# KiCad board A64-OlinuXino_Rev_H.kicad_pcb (continued)
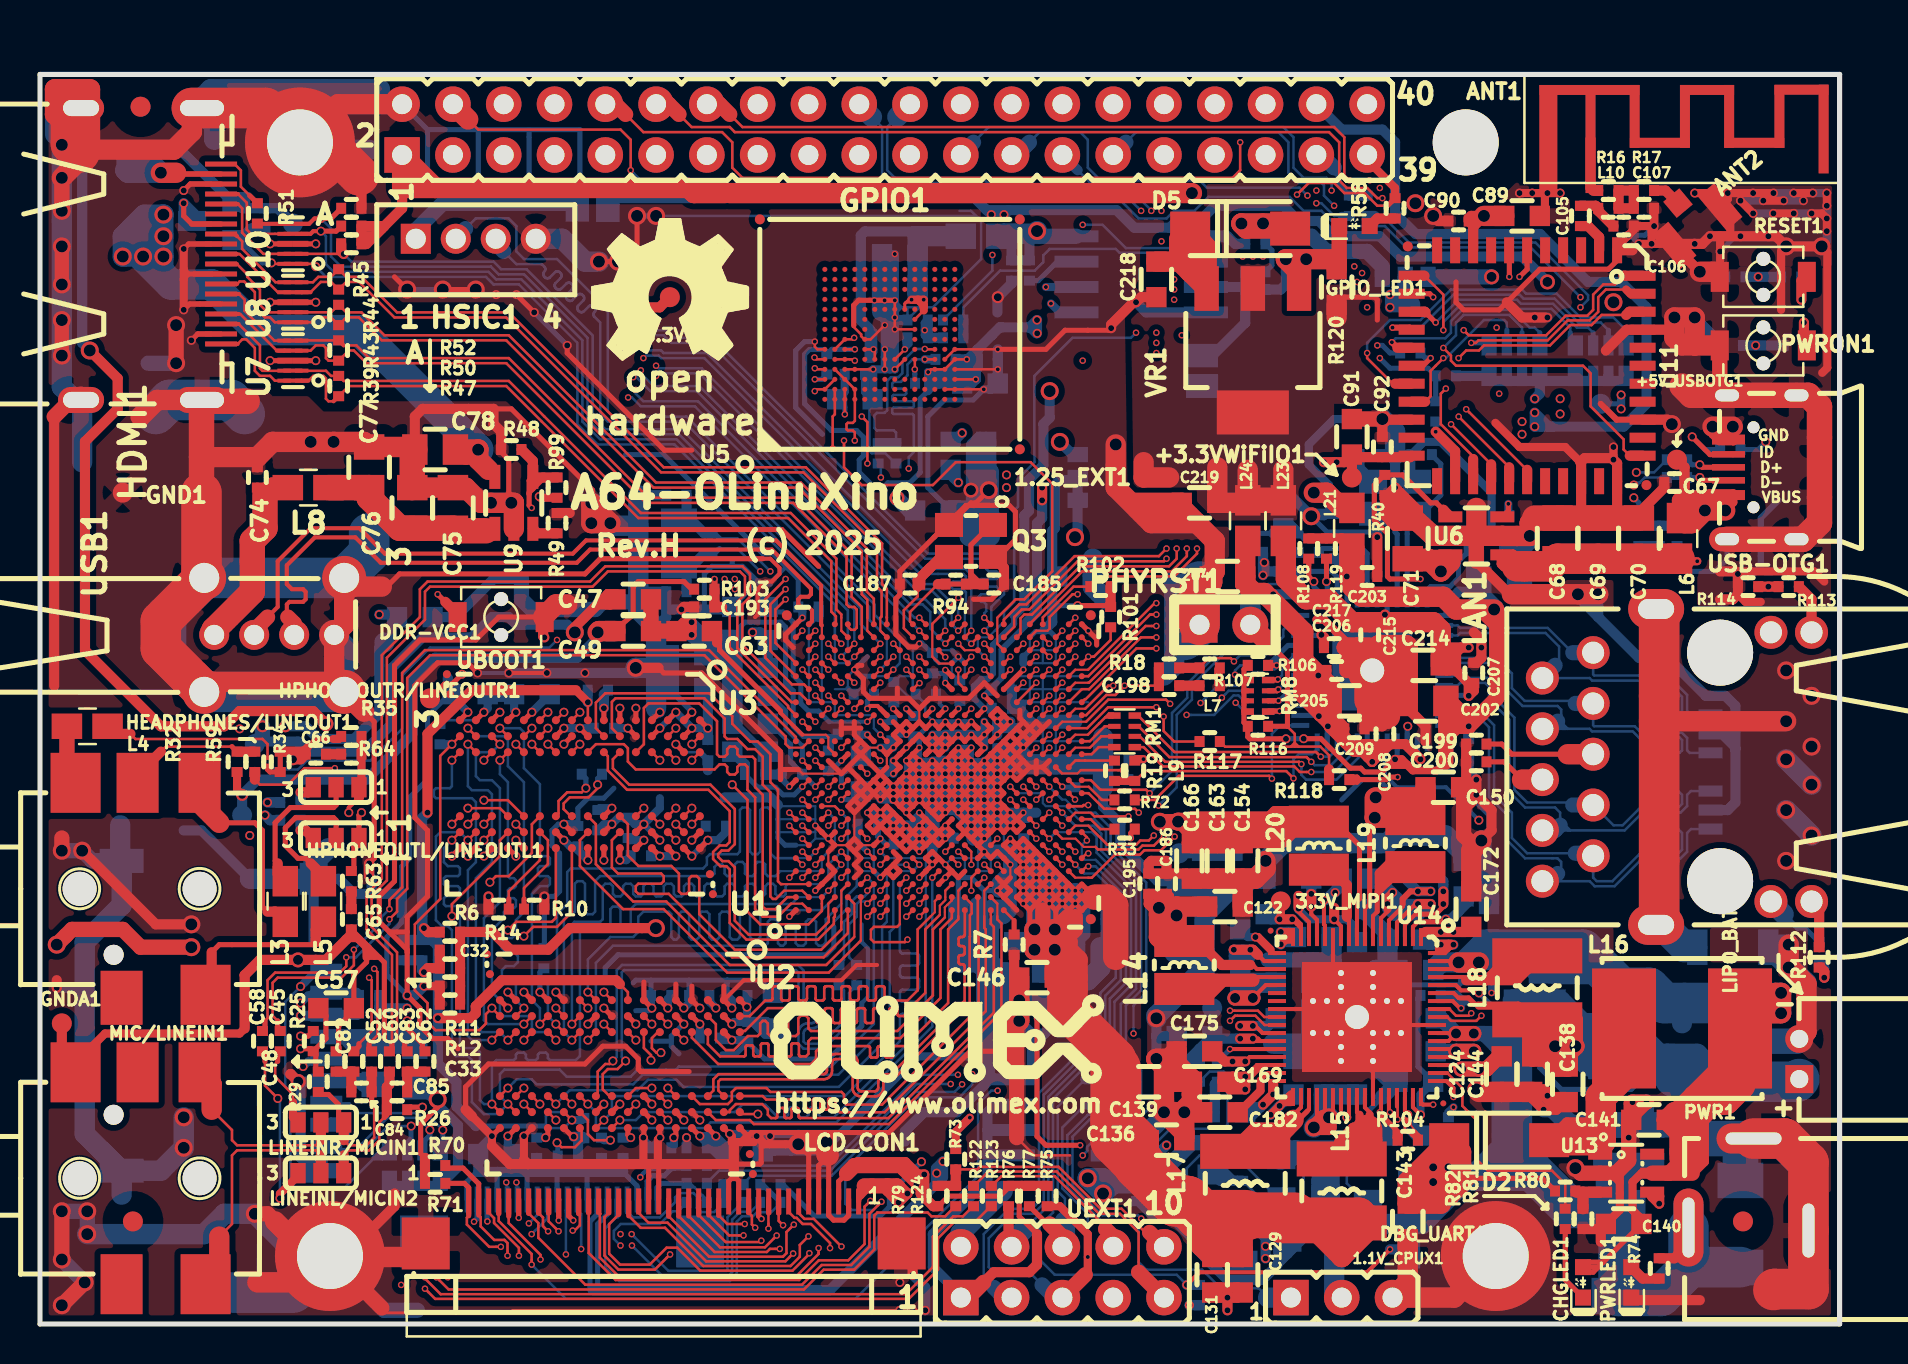
[diagram p0: board, top side]
## Routing (per net, layer and track width the routed paths; a pad name or vN(x,y) marks a point on that pad's centre or on a via; arc(x,y) is an arc through that point) (continued)
/S0SDQ13: length 23.2
  Top w0.107: 45.6,21.19 45.38,20.97 ; 45.38,20.97 45.37,20.96 ; 45.38,20.97 45.25,20.84 45.25,20.33
  Top w0.127: U1.N2 45.6,21.19 ; U2.C2 33.8,15 33.8,14.2 34.3,13.7 34.7,13.7 35.4,14.4 35.89,14.4 36.02,14.53 36.02,15.04 36.14,15.16 36.27,15.16 36.4,15.04 36.4,14.53 36.53,14.4 36.78,14.4 36.91,14.53 36.91,15.29 37.03,15.42 37.29,15.42 37.41,15.29 37.41,14.53 37.54,14.4 37.79,14.4 37.92,14.53 37.92,15.29 38.05,15.42 38.3,15.42 38.43,15.29 38.43,14.78 38.56,14.66 42.88,14.66 44.65,16.43 44.65,19.74 45.25,20.33
/S0SDQ14: length 23
  Top w0.127: U2.C3 33.4,14 34.01,13.39 35.19,13.39 35.21,13.39 35.23,13.4 35.25,13.41 35.27,13.42 35.28,13.44 35.28,13.46 35.29,13.48 35.29,13.84 35.29,13.86 35.3,13.88 35.31,13.9 35.32,13.92 35.34,13.93 35.36,13.93 35.38,13.94 35.57,13.94 35.59,13.93 35.61,13.93 35.63,13.92 35.65,13.9 35.66,13.88 35.67,13.86 35.67,13.84 35.67,13.48 35.67,13.46 35.68,13.44 35.69,13.42 35.7,13.41 35.72,13.4 35.74,13.39 35.76,13.39 35.95,13.39 35.97,13.39 35.99,13.4 36.01,13.41 36.03,13.42 36.04,13.44 36.05,13.46 36.05,13.48 36.05,13.94 36.05,13.96 36.06,13.98 36.07,14 36.08,14.02 36.1,14.03 36.12,14.03 36.14,14.04 36.33,14.04 36.36,14.03 36.38,14.03 36.39,14.02 36.41,14 36.42,13.98 36.43,13.96 36.43,13.94 36.43,13.48 36.43,13.46 36.44,13.44 36.45,13.42 36.47,13.41 36.48,13.4 36.5,13.39 36.53,13.39 36.72,13.39 36.74,13.39 36.76,13.4 36.77,13.41 36.79,13.42 36.8,13.44 36.81,13.46 36.81,13.48 36.81,13.94 36.81,13.96 36.82,13.98 36.83,14 36.85,14.02 36.86,14.03 36.88,14.03 36.91,14.04 37.1,14.04 37.12,14.03 37.14,14.03 37.16,14.02 37.17,14 37.18,13.98 37.19,13.96 37.19,13.94 37.19,13.48 37.19,13.46 37.2,13.44 37.21,13.42 37.23,13.41 37.25,13.4 37.27,13.39 37.29,13.39 37.48,13.39 37.5,13.39 37.52,13.4 37.54,13.41 37.55,13.42 37.56,13.44 37.57,13.46 37.57,13.48 37.57,13.94 37.58,13.96 37.58,13.98 37.59,14 37.61,14.02 37.63,14.03 37.65,14.03 37.67,14.04 37.86,14.04 37.88,14.03 37.9,14.03 37.92,14.02 37.93,14 37.94,13.98 37.95,13.96 37.95,13.94 37.95,13.48 37.96,13.46 37.96,13.44 37.97,13.42 37.99,13.41 38.01,13.4 38.03,13.39 38.05,13.39 38.3,13.39 38.43,13.51 38.43,14.15 38.58,14.3 43.03,14.3 45.03,16.31 45.03,19.74 45.6,20.3 U1.N1
/S0SDQ15: length 23.2
  Top w0.107: 44.75,21.15 44.75,20.59 44.53,20.37
  Top w0.127: 44.53,20.37 43.89,19.74 43.89,16.69 43.38,16.18 42.34,16.18 42.32,16.18 42.3,16.19 42.28,16.2 42.26,16.22 42.25,16.24 42.24,16.26 42.24,16.29 42.24,16.79 42.23,16.81 42.23,16.83 42.21,16.86 42.2,16.87 42.17,16.89 42.15,16.89 42.13,16.9 41.91,16.9 41.89,16.89 41.87,16.89 41.85,16.87 41.83,16.86 41.82,16.83 41.81,16.81 41.8,16.79 41.8,16.29 41.8,16.26 41.79,16.24 41.78,16.22 41.76,16.2 41.74,16.19 41.72,16.18 41.7,16.18 41.48,16.18 41.46,16.18 41.43,16.19 41.41,16.2 41.4,16.22 41.38,16.24 41.38,16.26 41.37,16.29 41.37,16.79 41.37,16.81 41.36,16.83 41.35,16.86 41.33,16.87 41.31,16.89 41.29,16.89 41.27,16.9 41.05,16.9 41.03,16.89 41,16.89 40.98,16.87 40.97,16.86 40.95,16.83 40.95,16.81 40.94,16.79 40.94,16.29 40.94,16.26 40.93,16.24 40.92,16.22 40.9,16.2 40.88,16.19 40.86,16.18 40.84,16.18 40.62,16.18 40.6,16.18 40.57,16.19 40.55,16.2 40.54,16.22 40.52,16.24 40.51,16.26 40.51,16.29 40.51,16.79 40.51,16.81 40.5,16.83 40.49,16.86 40.47,16.87 40.45,16.89 40.43,16.89 40.4,16.9 40.19,16.9 40.16,16.89 40.14,16.89 40.12,16.87 40.1,16.86 40.09,16.83 40.08,16.81 40.08,16.79 40.08,16.29 40.08,16.26 40.07,16.24 40.06,16.22 40.04,16.2 40.02,16.19 40,16.18 39.97,16.18 39.76,16.18 39.73,16.18 39.71,16.19 39.69,16.2 39.67,16.22 39.66,16.24 39.65,16.26 39.65,16.29 39.65,16.79 39.65,16.81 39.64,16.83 39.63,16.86 39.61,16.87 39.59,16.89 39.57,16.89 39.54,16.9 39.33,16.9 39.3,16.89 39.28,16.89 39.26,16.87 39.24,16.86 39.23,16.83 39.22,16.81 39.22,16.79 39.22,16.29 39.22,16.26 39.21,16.24 39.2,16.22 39.18,16.2 39.16,16.19 39.13,16.18 39.11,16.18 38.9,16.18 38.87,16.18 38.85,16.19 38.83,16.2 38.81,16.22 38.8,16.24 38.79,16.26 38.79,16.29 38.79,16.79 38.79,16.81 38.78,16.83 38.76,16.86 38.75,16.87 38.73,16.89 38.7,16.89 38.68,16.9 38.46,16.9 38.44,16.89 38.42,16.89 38.4,16.87 38.38,16.86 38.37,16.83 38.36,16.81 38.36,16.79 38.36,16.29 38.35,16.26 38.35,16.24 38.33,16.22 38.32,16.2 38.3,16.19 38.27,16.18 38.25,16.18 38.03,16.18 38.01,16.18 37.99,16.19 37.97,16.2 37.95,16.22 37.94,16.24 37.93,16.26 37.93,16.29 37.93,16.79 37.92,16.81 37.92,16.83 37.9,16.86 37.89,16.87 37.86,16.89 37.84,16.89 37.82,16.9 37.6,16.9 37.58,16.89 37.56,16.89 37.54,16.87 37.52,16.86 37.51,16.83 37.5,16.81 37.49,16.79 37.49,16.29 37.49,16.26 37.48,16.24 37.47,16.22 37.45,16.2 37.43,16.19 37.41,16.18 37.39,16.18 37.17,16.18 37.15,16.18 37.12,16.19 37.1,16.2 37.09,16.22 37.07,16.24 37.07,16.26 37.06,16.29 37.06,16.79 37.06,16.81 37.05,16.83 37.04,16.86 37.02,16.87 37,16.89 36.98,16.89 36.96,16.9 36.74,16.9 36.72,16.89 36.69,16.89 36.67,16.87 36.66,16.86 36.64,16.83 36.64,16.81 36.63,16.79 36.63,16.29 36.63,16.26 36.62,16.24 36.61,16.22 36.59,16.2 36.57,16.19 36.55,16.18 36.53,16.18 36.27,16.18 35.49,15.4 U2.A2 ; U1.M2 44.75,21.15
/S0SDQ16: length 20.3
  Top w0.107: 40.07,21.67 40.07,20.12
  Top w0.127: 40.07,20.05 40.07,20.12 40.07,19.73 39.06,18.72 34.75,18.72 32.97,20.5 32.97,22.28 32.84,22.4 32.59,22.4 32.46,22.28 32.46,21.64 32.33,21.51 32.08,21.51 31.95,21.64 31.95,22.53 31.57,22.91 29.92,22.91 29.4,23.43 29.4,25 U3.F7 ; 40.07,21.67 U1.E3
/S0SDQ17: length 20.9
  Top w0.107: U1.F2 41.05,19.18
  Top w0.127: U3.H8 27,24.2 27,22.91 29.16,20.75 31.19,20.75 34.37,17.58 39.45,17.58 41.05,19.18
/S0SDQ18: length 20.3
  Top w0.107: 40.72,21.03 40.72,19.36
  Top w0.127: U1.E2 40.72,21.03 ; U3.H7 27.8,25 27.8,23 29.67,21.13 31.32,21.13 34.49,17.96 39.32,17.96 40.72,19.36
/S0SDQ19: length 20.3
  Top w0.127: U3.F8 28.6,24.2 28.6,22.83 28.91,22.53 31.06,22.53 31.19,22.4 31.19,22.15 31.06,22.02 29.92,22.02 29.79,21.89 29.79,21.64 29.92,21.51 31.44,21.51 34.62,18.34 39.19,18.34 40.4,19.55 U1.E1
/S0SDQ20: length 20.5
  Top w0.107: 38.12,21.03 37.56,21.03
  Top w0.127: 37.56,21.03 36.91,20.37 36.14,20.37 35.76,20.75 35.76,26.34 35.38,26.72 35.38,27.86 35.25,27.99 35,27.99 34.87,27.86 34.87,27.61 34.75,27.48 34.49,27.48 34.37,27.61 34.37,27.86 34.24,27.99 33.99,27.99 33.73,27.74 29.79,27.74 29.4,28.13 29.4,28.8 29.2,29 27.8,29 U3.H3 ; 38.12,21.03 U1.B1
/S0SDQ21: length 20.7
  Top w0.107: 37.22,21.67 38.12,21.67
  Top w0.127: 38.12,21.67 U1.B2 ; 37.22,21.67 36.8,21.26 36.65,21.26 36.53,21.39 36.53,26.59 36.14,26.97 36.14,28.37 35.76,28.75 35.38,28.75 34.87,29.26 34.37,29.26 34.24,29.39 34.24,30.28 33.22,31.29 28.78,31.29 28.6,31.11 28.6,29.8 U3.F2
/S0SDQ22: length 20.4
  Top w0.127: U3.E3 30.2,29 30.2,30.81 30.43,31.04 32.97,31.04 33.86,30.15 33.86,28.5 33.99,28.37 34.24,28.37 34.37,28.5 34.37,28.75 34.49,28.88 34.75,28.88 34.87,28.75 34.87,28.5 35,28.37 35.64,28.37 35.76,28.25 35.76,26.85 36.14,26.47 36.14,20.88 36.27,20.75 36.78,20.75 37.38,21.35 U1.A2
/S0SDQ23: length 20.4
  Top w0.107: U1.B3 37.15,22
  Top w0.127: 37.15,22 37.06,22 36.91,22.15 36.91,26.72 36.53,27.1 36.53,28.5 35.89,29.13 35.51,29.13 34.62,30.02 34.62,30.4 33.48,31.55 28.27,31.55 27.8,31.08 27.8,29.8 U3.G2
/S0SDQ24: length 9.2
  Top w0.127: U3.A7 v3(32.6,25) ; v4(38.78,22.97) U1.C5
  In2.Cu w0.107: 38.45,23.3 36.91,23.3
  In2.Cu w0.127: v4(38.78,22.97) 38.45,23.3 ; v3(32.6,25) 33.4,25 33.86,24.54 33.86,23.04 33.99,22.91 36.53,22.91 36.91,23.3
/S0SDQ25: length 9.2
  Top w0.127: U1.B4 v4(38.12,22.33) ; v3(31.8,24.2) U3.C8
  In2.Cu w0.107: 37.8,22.65 37.28,22.65
  In2.Cu w0.127: 37.28,22.65 36.78,22.15 32.97,22.15 32.84,22.28 32.84,22.78 32.72,22.91 32.39,22.91 32.2,23.1 32.2,23.8 v3(31.8,24.2) ; v4(38.12,22.33) 37.8,22.65
/S0SDQ26: length 9.9
  Top w0.127: U1.A4 v4(37.47,22.33) ; v3(31,25) U3.D7
  In2.Cu w0.127: v3(31,25) 31.4,24.6 31.4,23.21 32.84,21.77 36.92,21.77 v4(37.47,22.33)
/S0SDQ27: length 9.4
  Top w0.127: v4(38.12,22.97) U1.A5 ; U3.B8 v3(31.8,25)
  In2.Cu w0.127: v4(38.12,22.97) 37.1,22.97 36.65,22.53 33.48,22.53 33.22,22.78 33.22,23.58 33,23.8 33,24.4 32.8,24.6 U3.B8 v3(31.8,25)
/S0SDQ28: length 9.3
  Top w0.127: U3.A3 v3(32.6,28.2) ; v4(37.47,24.92) U1.A7
  In2.Cu w0.127: v3(32.6,28.2) 32.65,28.25 35,28.25 35.13,28.12 35.13,27.61 35.25,27.48 35.38,27.48 35.51,27.61 35.51,27.99 35.64,28.12 35.76,28.12 35.89,27.99 35.89,26.34 37.14,25.09 37.31,25.09 v4(37.47,24.92)
/S0SDQ29: length 9.2
  Top w0.127: v4(37.47,25.58) U1.A8 ; U3.C3 v3(31.8,28.2)
  In2.Cu w0.127: v4(37.47,25.58) 37.31,25.74 37,25.74 36.27,26.47 36.27,28.37 36.04,28.6 32.2,28.6 v3(31.8,28.2)
/S0SDQ30: length 9.2
  Top w0.127: U3.A2 v3(32.6,29) ; v4(38.12,25.58) U1.B8
  In2.Cu w0.127: v3(32.6,29) 36.15,29 36.65,28.5 36.65,26.59 37.16,26.09 37.67,26.09 37.79,25.96 37.79,25.76 37.98,25.58 v4(38.12,25.58)
/S0SDQ31: length 9.9
  Top w0.127: U1.B9 v4(38.12,26.22) ; v3(31.8,29.8) U3.C2
  In2.Cu w0.127: v4(38.12,26.22) 37.88,26.47 37.29,26.47 37.03,26.72 37.03,28.63 36.26,29.4 32.2,29.4 v3(31.8,29.8)
/S0SDQM0: length 20.9
  Top w0.107: 43,20 U1.J2
  Top w0.127: v4(43.38,19.23) 43.26,19.1 41.71,19.1 41.55,19.25 41.55,19.71 41.71,19.86 42.86,19.86 43,20 ; U2.E7 v3(31.4,11.8)
  In2.Cu w0.127: v3(31.4,11.8) 33.16,11.8 33.48,12.12 36.27,12.12 v4(43.38,19.23)
/S0SDQM1: length 23.4
  Top w0.107: 45.93,21.67 45.93,20.38
  Top w0.127: U2.D3 32.6,14.32 33.91,13 38.56,13 38.81,13.26 38.81,13.64 39.07,13.9 41.41,13.9 41.44,13.9 41.46,13.89 41.47,13.88 41.49,13.86 41.5,13.85 41.51,13.83 41.51,13.8 41.51,13.42 41.51,13.4 41.52,13.38 41.53,13.36 41.55,13.35 41.56,13.34 41.58,13.33 41.6,13.33 41.8,13.33 41.82,13.33 41.84,13.34 41.85,13.35 41.87,13.36 41.88,13.38 41.89,13.4 41.89,13.42 41.89,13.8 41.89,13.83 41.9,13.85 41.91,13.86 41.93,13.88 41.94,13.89 41.96,13.9 41.99,13.9 42.18,13.9 42.2,13.9 42.22,13.89 42.24,13.88 42.25,13.86 42.26,13.85 42.27,13.83 42.27,13.8 42.27,13.42 42.27,13.4 42.28,13.38 42.29,13.36 42.31,13.35 42.33,13.34 42.35,13.33 42.37,13.33 42.56,13.33 42.58,13.33 42.6,13.34 42.62,13.35 42.63,13.36 42.64,13.38 42.65,13.4 42.65,13.42 42.65,13.8 42.66,13.83 42.66,13.85 42.67,13.86 42.69,13.88 42.71,13.89 42.73,13.9 42.75,13.9 43.26,13.9 45.41,16.05 45.41,19.74 45.93,20.25 45.93,20.38 ; U1.P3 45.93,21.67
/S0SDQM2: length 19.7
  Top w0.127: U3.E7 v3(30.2,25.8) ; U1.C2 39.1,20.66 38.43,19.99 36.02,19.99 35.38,20.62 35.38,26.21 v3(34.62,26.97)
  In2.Cu w0.127: v3(34.62,26.97) 34.24,27.36 31.57,27.36 31.44,27.23 31.44,26.8 31.32,26.67 31.06,26.67 30.94,26.8 30.94,27.48 30.81,27.61 30.56,27.61 30.43,27.48 30.43,26.03 v3(30.2,25.8)
/S0SDQM3: length 10.1
  Top w0.127: v3(31,28.2) U3.D3 ; U1.B7 v4(38.12,24.92)
  In2.Cu w0.107: 37.8,24.6 37.12,24.6
  In2.Cu w0.127: 37.12,24.6 35.25,26.47 35.25,26.97 34.49,27.74 31.46,27.74 v3(31,28.2) ; v4(38.12,24.92) 37.8,24.6
/S0SDQS0_N: length 19
  Top w0.127: v3(30.56,13.2) 30.56,13.45 30.2,13.81 U2.G3 ; v4(43.32,21.03) U1.K2
  In2.Cu w0.127: v4(43.32,21.03) 42.95,20.65 42.95,19.55 36.14,12.74 31.2,12.74 30.75,13.2 v3(30.56,13.2)
/S0SDQS0_P: length 21
  Top w0.127: v3(31.05,13.57) 30.82,13.57 30.6,13.8 30.6,14.3 30.9,14.6 U2.F3 ; U1.K3 v4(43.32,21.67)
  In2.Cu w0.127: v3(31.05,13.57) 31.05,13.36 31.39,13.02 36.02,13.02 36.44,13.44 36.47,13.47 36.49,13.52 36.5,13.56 36.5,13.61 36.49,13.66 36.47,13.7 36.44,13.74 36.01,14.17 35.95,14.25 35.9,14.34 35.88,14.44 35.88,14.55 35.9,14.65 35.95,14.74 36.01,14.82 36.55,15.36 36.63,15.42 36.72,15.47 36.82,15.49 36.93,15.49 37.03,15.47 37.12,15.42 37.2,15.36 37.63,14.93 37.67,14.9 37.71,14.88 37.76,14.87 37.81,14.87 37.85,14.88 37.9,14.9 37.93,14.93 38.43,15.42 42.67,19.67 42.67,21.02 v4(43.32,21.67)
/S0SDQS1_N: length 23.5
  Top w0.127: U2.B7 33.93,11.67 33.93,12.13 34.04,12.24 39.19,12.24 39.28,12.25 39.37,12.28 39.45,12.33 39.52,12.4 39.57,12.48 39.6,12.57 39.61,12.66 39.61,13.06 39.62,13.1 39.63,13.14 39.65,13.18 39.68,13.21 39.72,13.23 39.76,13.25 39.81,13.25 40.45,13.25 40.49,13.25 40.53,13.23 40.57,13.21 40.6,13.18 40.62,13.14 40.63,13.1 40.64,13.06 40.64,11.8 40.65,11.71 40.68,11.62 40.73,11.54 40.8,11.48 40.88,11.42 40.97,11.39 41.06,11.38 41.75,11.38 41.85,11.39 41.94,11.42 42.02,11.48 42.08,11.54 42.13,11.62 42.16,11.71 42.17,11.8 42.17,12.05 42.18,12.09 42.19,12.13 42.22,12.17 42.25,12.2 42.28,12.22 42.32,12.24 42.37,12.24 42.67,12.24 46.49,16.06 46.49,19.37 46.5,19.38 46.5,20.45 46.59,20.54 46.59,21.01 U1.P2
/S0SDQS1_P: length 23.5
  Top w0.127: U2.C7 33.67,11.67 33.67,12.24 33.93,12.5 39.16,12.5 39.21,12.5 39.25,12.52 39.28,12.54 39.32,12.57 39.34,12.61 39.35,12.65 39.36,12.69 39.36,13.09 39.37,13.18 39.4,13.27 39.45,13.35 39.52,13.41 39.6,13.47 39.69,13.5 39.78,13.51 40.47,13.51 40.57,13.5 40.65,13.47 40.73,13.41 40.8,13.35 40.85,13.27 40.88,13.18 40.89,13.09 40.89,11.83 40.9,11.79 40.91,11.75 40.93,11.71 40.97,11.68 41,11.66 41.04,11.64 41.09,11.64 41.73,11.64 41.77,11.64 41.81,11.66 41.85,11.68 41.88,11.71 41.9,11.75 41.91,11.79 41.92,11.83 41.92,12.08 41.93,12.17 41.96,12.26 42.01,12.34 42.08,12.41 42.16,12.46 42.25,12.49 42.34,12.5 42.57,12.5 46.24,16.17 46.24,17.88 46.24,17.91 46.23,17.93 46.22,17.95 46.2,17.97 46.18,17.98 46.15,17.99 46.13,18 46.05,18 46.02,18 46,18.01 45.98,18.02 45.96,18.04 45.95,18.06 45.94,18.08 45.94,18.11 45.94,18.34 45.94,18.36 45.95,18.39 45.96,18.41 45.98,18.42 46,18.44 46.02,18.45 46.05,18.45 46.13,18.45 46.15,18.45 46.18,18.46 46.2,18.47 46.22,18.49 46.23,18.51 46.24,18.54 46.24,18.56 46.24,18.79 46.24,18.82 46.23,18.84 46.22,18.86 46.2,18.88 46.18,18.89 46.15,18.9 46.13,18.9 46.05,18.9 46.02,18.91 46,18.91 45.98,18.93 45.96,18.95 45.95,18.97 45.94,18.99 45.94,19.02 45.94,19.24 45.94,19.27 45.95,19.29 45.96,19.31 45.98,19.33 46,19.35 46.02,19.35 46.05,19.36 46.13,19.36 46.15,19.36 46.18,19.37 46.2,19.38 46.22,19.4 46.23,19.42 46.24,19.45 46.24,19.47 46.25,19.48 U1.P1
/S0SDQS2_N: length 21.2
  Top w0.127: U3.G3 28.4,28.4 28.4,27.68 29.36,26.72 33.42,26.72 34.49,25.65 34.49,24.11 34.32,23.93 33.99,23.93 33.66,23.61 33.66,23.26 34.02,22.9 34.33,22.9 34.49,22.73 34.49,20.06 35.33,19.23 38.92,19.23 39.7,20.01 39.7,20.33 39.75,20.38 U1.D1
/S0SDQS2_P: length 21.2
  Top w0.107: 39.43,20.38 39.43,21.03
  Top w0.127: 39.43,20.38 39.45,20.35 39.45,20.12 38.81,19.48 35.43,19.48 34.75,20.17 34.75,22.84 34.43,23.15 34.13,23.15 33.92,23.36 33.92,23.51 34.09,23.68 34.43,23.68 34.75,24 34.75,25.76 33.53,26.97 29.47,26.97 28.65,27.79 28.65,28.25 U3.F3 ; 39.43,21.03 U1.D2
/S0SDQS3_N: length 10.2
  Top w0.127: v4(38.12,23.62) U1.B5 ; v3(32.6,25.8) U3.B7
  In2.Cu w0.127: v3(32.6,25.8) 32.59,25.79 32.38,25.79 32.21,25.95 32.21,26.29 32.42,26.5 33.59,26.5 34.66,25.42 34.66,23.94 34.93,23.67 36.2,23.67 36.39,23.86 37.11,23.86 37.3,23.67 37.51,23.67 37.69,23.86 37.89,23.86 v4(38.12,23.62)
/S0SDQS3_P: length 10.2
  Top w0.127: U1.B6 v4(38.12,24.28) ; U3.C7 v3(31.8,25.8)
  In2.Cu w0.127: v3(31.8,25.8) 31.93,25.93 31.93,26.37 32.33,26.77 33.71,26.77 34.94,25.54 34.94,24.05 35.05,23.95 36.09,23.95 36.27,24.14 37.99,24.14 v4(38.12,24.28)
/S0SODT0: length 50.2
  Top w0.127: v3(26.2,30.6) U3.K1 ; v4(40.07,22.97) U1.D5 ; U2.K1 v3(27.4,16.6)
  In2.Cu w0.127: v3(27.4,16.6) 27.4,22.6 27,23 27,24.8 25.8,26 25.8,27.4 26.6,28.2 26.6,32.1 26.5,32.2 26.2,32.2 26.1,32.1 26.1,30.7 v3(26.2,30.6)
  Bottom w0.107: 37.8,20.7 37.15,20.7 ; 39.75,22.65 39.75,21.35
  Bottom w0.127: 37.15,20.7 36.22,20.7 36.02,20.5 36.02,19.36 35.89,19.23 35.64,19.23 35.51,19.36 35.51,20.5 35.38,20.62 35.13,20.62 35,20.5 35,19.36 34.87,19.23 34.62,19.23 34.49,19.36 34.49,20.5 34.37,20.62 34.11,20.62 33.99,20.5 33.99,19.36 33.86,19.23 33.6,19.23 33.48,19.36 33.48,20.5 33.35,20.62 33.1,20.62 32.97,20.5 32.97,19.36 32.84,19.23 32.59,19.23 32.46,19.36 32.46,20.5 32.33,20.62 32.08,20.62 31.95,20.5 31.95,19.36 31.83,19.23 31.7,19.23 31.57,19.36 31.57,20.5 31.44,20.62 30.18,20.62 29.92,20.37 29.92,19.61 29.67,19.36 28.52,19.36 27.4,18.23 v3(27.4,16.6) ; 37.8,20.7 39.1,20.7 39.75,21.35 ; v4(40.07,22.97) 39.75,22.65
/S0SODT1: length 51.5
  Top w0.127: v4(40.07,24.28) U1.E7 ; U2.J1 v3(28.2,16.6) ; U3.J1 v3(27,30.6)
  In2.Cu w0.127: v3(27,30.6) 27.7,30.6 28.1,30.2 28.6,30.2 29,29.8 29,28.4 28.6,28 27.4,28 26.6,27.2 26.6,26.4 28.6,24.4 28.6,23 28.2,22.6 v3(28.2,16.6)
  In3.Cu w0.107: 41.7,20.02 41.7,23.17 41.57,23.3 41.05,23.3
  In3.Cu w0.127: 41.05,23.3 40.72,23.62 40.72,23.95 40.4,24.28 v4(40.07,24.28) ; 41.7,20.02 41.86,19.86 42.49,19.86 42.62,19.74 42.62,19.61 42.49,19.48 41.35,19.48 41.22,19.36 41.22,19.23 41.35,19.1 42.49,19.1 42.62,18.97 42.62,18.85 42.49,18.72 41.35,18.72 41.22,18.59 41.22,18.47 41.35,18.34 42.37,18.34 42.49,18.21 42.49,18.08 42.37,17.96 40.72,17.96 40.59,17.83 40.59,17.7 40.72,17.58 41.35,17.58 41.48,17.45 41.48,17.32 41.35,17.2 40.21,17.2 40.08,17.07 40.08,16.94 40.21,16.81 40.72,16.81 40.84,16.69 40.84,16.56 40.72,16.43 40.08,16.43 39.83,16.69 34.62,16.69 34.49,16.56 28.24,16.56 v3(28.2,16.6)
/S0SRAS: length 51.7
  Top w0.127: U2.J3 v3(28.2,15) ; U1.F7 v4(41.38,24.28) ; U3.J3 v3(27,29)
  In2.Cu w0.127: v3(27,29) 27.4,29 27.6,29.2 28.5,29.2 28.6,29.1 28.6,28.5 28.5,28.4 27.3,28.4 26.2,27.3 26.2,26.2 28.1,24.3 28.1,23.8 27.8,23.5 27.8,15.4 v3(28.2,15)
  In3.Cu w0.107: 43,23.3 43.5,23.3 43.65,23.15 43.65,19.9 ; 41.7,23.95 42.35,23.95
  In3.Cu w0.127: 42.35,23.95 43,23.3 ; v3(28.2,15) 28.6,15.4 34.89,15.4 35.13,15.16 35.13,14.28 35.25,14.15 35.51,14.15 35.64,14.28 35.64,15.55 35.76,15.67 35.89,15.67 36.02,15.55 36.02,14.28 36.14,14.15 36.4,14.15 36.53,14.28 36.53,14.53 36.65,14.66 36.91,14.66 37.03,14.53 37.03,14.28 37.16,14.15 37.41,14.15 37.54,14.28 37.54,14.4 37.67,14.53 37.92,14.53 38.05,14.4 38.05,14.28 38.18,14.15 38.43,14.15 38.56,14.28 38.56,14.91 38.68,15.04 38.94,15.04 39.06,14.91 39.06,14.28 39.19,14.15 39.45,14.15 43.8,18.5 43.8,19.75 43.65,19.9 ; v4(41.38,24.28) 41.7,23.95
/S0SRST: length 52.8
  Top w0.127: U2.T2 v3(22.6,15.8) 22.3,15.5 22.3,15.03 21.97,14.7 19.77,14.7 19.38,15.09 19.38,16.05 18.75,16.69 18.75,19.99 20.02,21.26 20.02,28.42 v3(20.6,29) U3.T2 ; U1.D10 v4(39.43,26.22)
  In3.Cu w0.107: 39.1,25.9 37.93,25.9 37.8,25.78 37.8,22.12
  In3.Cu w0.127: 37.8,22.12 37.57,21.9 35.6,21.9 35.4,21.7 35.4,21.2 35.21,21.01 28.65,21.01 28.52,20.88 28.52,20.12 28.4,19.99 28.14,19.99 28.02,20.12 28.02,20.88 27.89,21.01 27.64,21.01 27.51,20.88 27.51,20.12 27.38,19.99 27.13,19.99 27,20.12 27,20.88 26.87,21.01 26.62,21.01 26.49,20.88 26.49,20.12 26.36,19.99 26.11,19.99 25.98,20.12 25.98,20.88 25.86,21.01 25.6,21.01 25.48,20.88 25.48,20.2 25.38,20.1 23.2,20.1 22.4,19.3 22.4,16 v3(22.6,15.8) ; v4(39.43,26.22) 39.1,25.9
  Bottom w0.406: v3(20.6,29) 20.01,29 R1.1
/S0SVREF: length 29.3
  Top w0.127: v4(41.38,23.62) U1.G5
  Top w0.508: R6.2 C32.1 R11.1 R12.2 C33.2 ; 21.03,19.61 22.63,19.61 23.52,18.72 25.41,18.72 26.49,19.8 v2(30.8,19.8)
  In2.Cu w0.254: 40.72,21.35 40.96,21.58 40.96,23.21 v4(41.38,23.62)
  In2.Cu w0.508: 40.72,21.35 39.17,19.8 33.65,19.8 33.65,19.8 v2(30.8,19.8)
  Bottom w0.305: C22.2 40.89,24.11 v4(41.38,23.62)
/S0SWE: length 50.1
  Top w0.127: U1.C8 v4(39.43,25.58) ; U2.L3 v3(26.6,14.2) ; v3(24.6,29) U3.L3
  In2.Cu w0.127: v3(24.6,29) 24.6,28 24.2,27.6 24.2,25.1 24.6,24.7 24.6,22.4 24.7,22.3 25.2,22.3 25.3,22.2 25.3,21.9 25.2,21.8 24.7,21.8 24.6,21.7 24.6,21.3 25.3,20.6 25.3,17.4 25.5,17.2 25.7,17.2 25.8,17.3 25.8,17.5 25.9,17.6 26.1,17.6 26.2,17.5 26.2,14.6 v3(26.6,14.2)
  Bottom w0.107: 37.03,22.65 38.97,22.65 39.1,22.78 39.1,23.3 ; 39.75,25.25 39.75,23.95
  Bottom w0.127: v3(26.6,14.2) 26.2,14.6 26.2,20.24 26.45,20.5 26.62,20.5 26.75,20.62 26.75,22.02 26.87,22.15 27.13,22.15 27.25,22.02 27.25,20.62 27.38,20.5 27.64,20.5 27.76,20.62 27.76,22.15 28.02,22.4 33.6,22.4 33.73,22.53 33.73,22.86 33.86,22.98 34.11,22.98 34.24,22.86 34.24,22.53 34.37,22.4 34.62,22.4 34.75,22.53 34.75,22.98 34.87,23.11 35.13,23.11 35.25,22.98 35.25,22.53 35.38,22.4 35.64,22.4 35.76,22.53 35.76,22.98 35.89,23.11 36.14,23.11 36.27,22.98 36.27,22.53 36.4,22.4 36.78,22.4 37.03,22.65 ; v4(39.43,25.58) 39.75,25.25 ; 39.75,23.95 39.1,23.3
/USB&HDMI,WiFi&BT,Ethernet,LCD/1.25_EXT: length 14.1
  Top w0.254: R120.1 65.23,51.36 66.75,51.36 66.88,51.23 66.88,50.22
  Top w1.016: 60.4,42.72 L24.2 60.27,41.07 C219.1 58.88,42.85 ; 56.46,42.34 1.25_EXT1.1 55.19,43.1 ; L23.2 62.18,42.72 ; R120.1 64.85,50.34
  Top w1.27: L23.2 L24.2
/USB&HDMI,WiFi&BT,Ethernet,LCD/AP-WAKE-BT: length 75.8
  Top w0.127: U1.B20 v4(38.78,33.38)
  Top w0.254: v4(73.99,52.38) 74.37,52.76 U11.6
  In2.Cu w0.127: v4(73.99,52.38) 73.16,53.2 67.45,53.2 65.86,51.61 57.35,51.61 v4(56.72,52.25)
  In3.Cu w0.107: 39.75,32.4 39.22,32.4 39.1,32.53 39.1,33.05 ; 40.4,34.34 40.4,34.35 40.4,33.05
  In3.Cu w0.127: 39.75,32.4 40.4,33.05 ; 39.1,33.05 v4(38.78,33.38) ; 40.4,34.35 40.4,36.71 37.27,39.84 37.27,39.84 34.62,42.5 34.62,49.07 33.86,49.84 33.86,55.3 34.37,55.8 46.3,55.8 47.06,56.57 56.46,56.57 56.97,56.06 56.97,53.65 56.72,53.39 v4(56.72,52.25)
/USB&HDMI,WiFi&BT,Ethernet,LCD/BT-PCM-CLK: length 30.6
  Top w0.107: 51.78,32.08 52.43,32.08
  Top w0.127: 72.57,43 v4(70.57,45) ; v4(55.83,34.91) 55.3,34.91 52.46,32.08 52.43,32.08 ; U1.AB18 51.78,32.08
  Top w0.508: U11.26 72.57,43
  In3.Cu w0.127: v4(70.57,45) 69.93,45 68.91,46.02 66.22,46.02 60.27,40.08 60.27,37.64 59,36.37 57.29,36.37 v4(55.83,34.91)
/USB&HDMI,WiFi&BT,Ethernet,LCD/BT-PCM-DIN: length 30.7
  Top w0.127: 73.47,42.85 73.47,42.86 v4(70.95,45.38) ; v4(55.83,35.48) 55.51,35.48 52.43,32.4 U1.AC19
  Top w0.508: U11.27 73.47,42.85
  In3.Cu w0.127: v4(70.95,45.38) 69.93,45.38 69.04,46.28 66.12,46.28 60.02,40.18 60.02,37.77 58.88,36.63 56.97,36.63 v4(55.83,35.48)
/USB&HDMI,WiFi&BT,Ethernet,LCD/BT-PCM-DOUT: length 35.3
  Top w0.127: v4(56.34,38.28) 56.21,38.15 51.89,38.15 49.48,35.74 49.1,35.74 48.72,35.36 48.72,34.87 U1.U22 ; v4(70.31,46.79) 70.05,46.53 70.05,45.01 71.67,43.39 71.67,43.26
  Top w0.508: U11.25 71.67,43.26
  In3.Cu w0.127: v4(56.34,38.28) 56.97,37.64 58.37,37.64 59,38.28 59,40.69 65.61,47.3 69.8,47.3 v4(70.31,46.79)
/USB&HDMI,WiFi&BT,Ethernet,LCD/BT-PCM-SYNC: length 32.4
  Top w0.107: 52.43,32.73 52.42,32.72 51.78,32.72
  Top w0.127: v4(55.83,36.06) 55.75,36.06 52.43,32.73 ; 51.78,32.72 U1.AB19 ; v4(71.32,45.75) 74.35,42.72 74.37,42.72
  Top w0.508: U11.28 74.37,42.72
  In3.Cu w0.127: v4(55.83,36.06) 56.65,36.88 58.75,36.88 59.77,37.9 59.77,40.35 65.95,46.53 69.16,46.53 69.94,45.75 v4(71.32,45.75)
/USB&HDMI,WiFi&BT,Ethernet,LCD/BT-RST-N: length 64.5
  Top w0.127: 79.51,43.43 79.2,43.74 79.2,44.25 77.55,45.9 77.55,47.55 77.16,47.93 70.81,47.93 70.56,48.18 70.56,48.44 v4(70.18,48.82) ; U1.A20 36.78,34.07 36.78,35.74 v4(37.29,36.25)
  Top w0.508: U11.34 79.51,43.43
  In2.Cu w0.127: 49.61,46.8 49.61,46.8 ; 49.61,46.8 50.09,47.28 51.02,47.28 51.51,46.79 54.56,46.79 55.45,47.68 67.32,47.68 68.47,48.82 v4(70.18,48.82) ; 49.61,46.8 48.64,45.83 43.63,45.83 41.07,43.27 40.26,43.27 39.21,42.22 39.21,38.17 v4(37.29,36.25)
  Bottom w0.127: v4(70.18,48.82) 70.81,49.45 70.81,50.09 71.2,50.47 73.48,50.47 74.12,49.84 74.12,49.58
  Bottom w0.254: RM12.2.2 74.12,49.58
/USB&HDMI,WiFi&BT,Ethernet,LCD/BT-UART-CTS: length 43.6
  Top w0.127: U1.AC17 52.25,31.25 52.29,31.25 54.83,33.79 v4(55.83,33.79) ; 79.2,52.43 78.76,51.99 78.18,51.99 77.67,51.49 77.67,50.72 77.38,50.43 76.3,50.43 75.32,49.45 71.45,49.45 v4(71.2,49.71)
  Top w0.508: U11.44 79.2,52.43 79.27,52.43
  In3.Cu w0.127: v4(71.2,49.71) 71.2,48.69 71.32,48.56 71.32,47.04 70.69,46.41 70.05,46.41 69.42,47.04 65.74,47.04 59.26,40.56 59.26,39.67 59.26,38.15 58.5,37.39 56.34,37.39 55.19,36.24 55.19,34.42 v4(55.83,33.79)
/USB&HDMI,WiFi&BT,Ethernet,LCD/BT-UART-RX: length 43.5
  Top w0.127: v4(55.83,34.34) 55.05,34.34 52.46,31.75 52.1,31.75 U1.AB17 ; 79.32,51.74 78.31,51.74 77.93,51.36 77.93,50.63 77.5,50.2 76.4,50.2 75.4,49.2 71.94,49.2 71.81,49.07 v4(71.58,49.07)
  Top w0.406: 79.32,51.74 79.53,51.53 U11.43
  In3.Cu w0.127: v4(55.83,34.34) 55.5,34.67 55.5,36.22 56.41,37.13 58.62,37.13 59.51,38.02 59.51,39.78 59.51,40.46 65.84,46.79 69.29,46.79 69.93,46.15 70.81,46.15 71.58,46.91 v4(71.58,49.07)
  Bottom w0.254: v4(71.58,49.07) 72.34,49.07 RM12.4.2
/USB&HDMI,WiFi&BT,Ethernet,LCD/BT-UART-TX: length 40.7
  Top w0.127: v4(70.94,48.31) 71.32,48.69 71.96,48.69 72.21,48.95 75.51,48.95 76.53,49.96 77.59,49.96 78.1,50.47 79.32,50.47 ; U1.U23 48.2,35.22 48.97,35.99 49.33,35.99 51.74,38.41 55.96,38.41 v4(56.34,38.79)
  Top w0.508: 79.32,50.47 79.48,50.63 U11.42
  In3.Cu w0.127: v4(56.34,38.79) 57.23,37.9 58.24,37.9 ; v4(70.94,48.31) 70.18,47.55 65.48,47.55 58.75,40.82 58.75,38.41 58.24,37.9 ; 58.24,37.9 58.24,37.9
/USB&HDMI,WiFi&BT,Ethernet,LCD/BT-WAKE-AP: length 74.1
  Top w0.127: U1.D19 v4(40.07,32.08) ; 73.48,52.43 v4(73.48,52.38)
  Top w0.254: U11.7 73.48,53.69 v4(73.48,52.38)
  In2.Cu w0.127: v4(73.48,52.38) 72.91,52.95 67.58,52.95 65.99,51.36 57.1,51.36 v4(56.72,51.74)
  In3.Cu w0.107: 40.4,32.4 40.93,32.4 41.05,32.53 41.05,34.2 40.97,34.28
  In3.Cu w0.127: v4(40.07,32.08) 40.4,32.4 ; v4(56.72,51.74) 56.34,52.12 56.34,53.39 56.72,53.77 56.72,55.93 56.34,56.31 47.13,56.31 46.37,55.55 34.49,55.55 34.11,55.17 34.11,49.94 34.87,49.17 34.87,42.57 37.51,39.94 37.51,39.94 40.69,36.75 40.69,34.55 40.97,34.28
